# Allegro board FMDEMOD-Long.brd (continued)
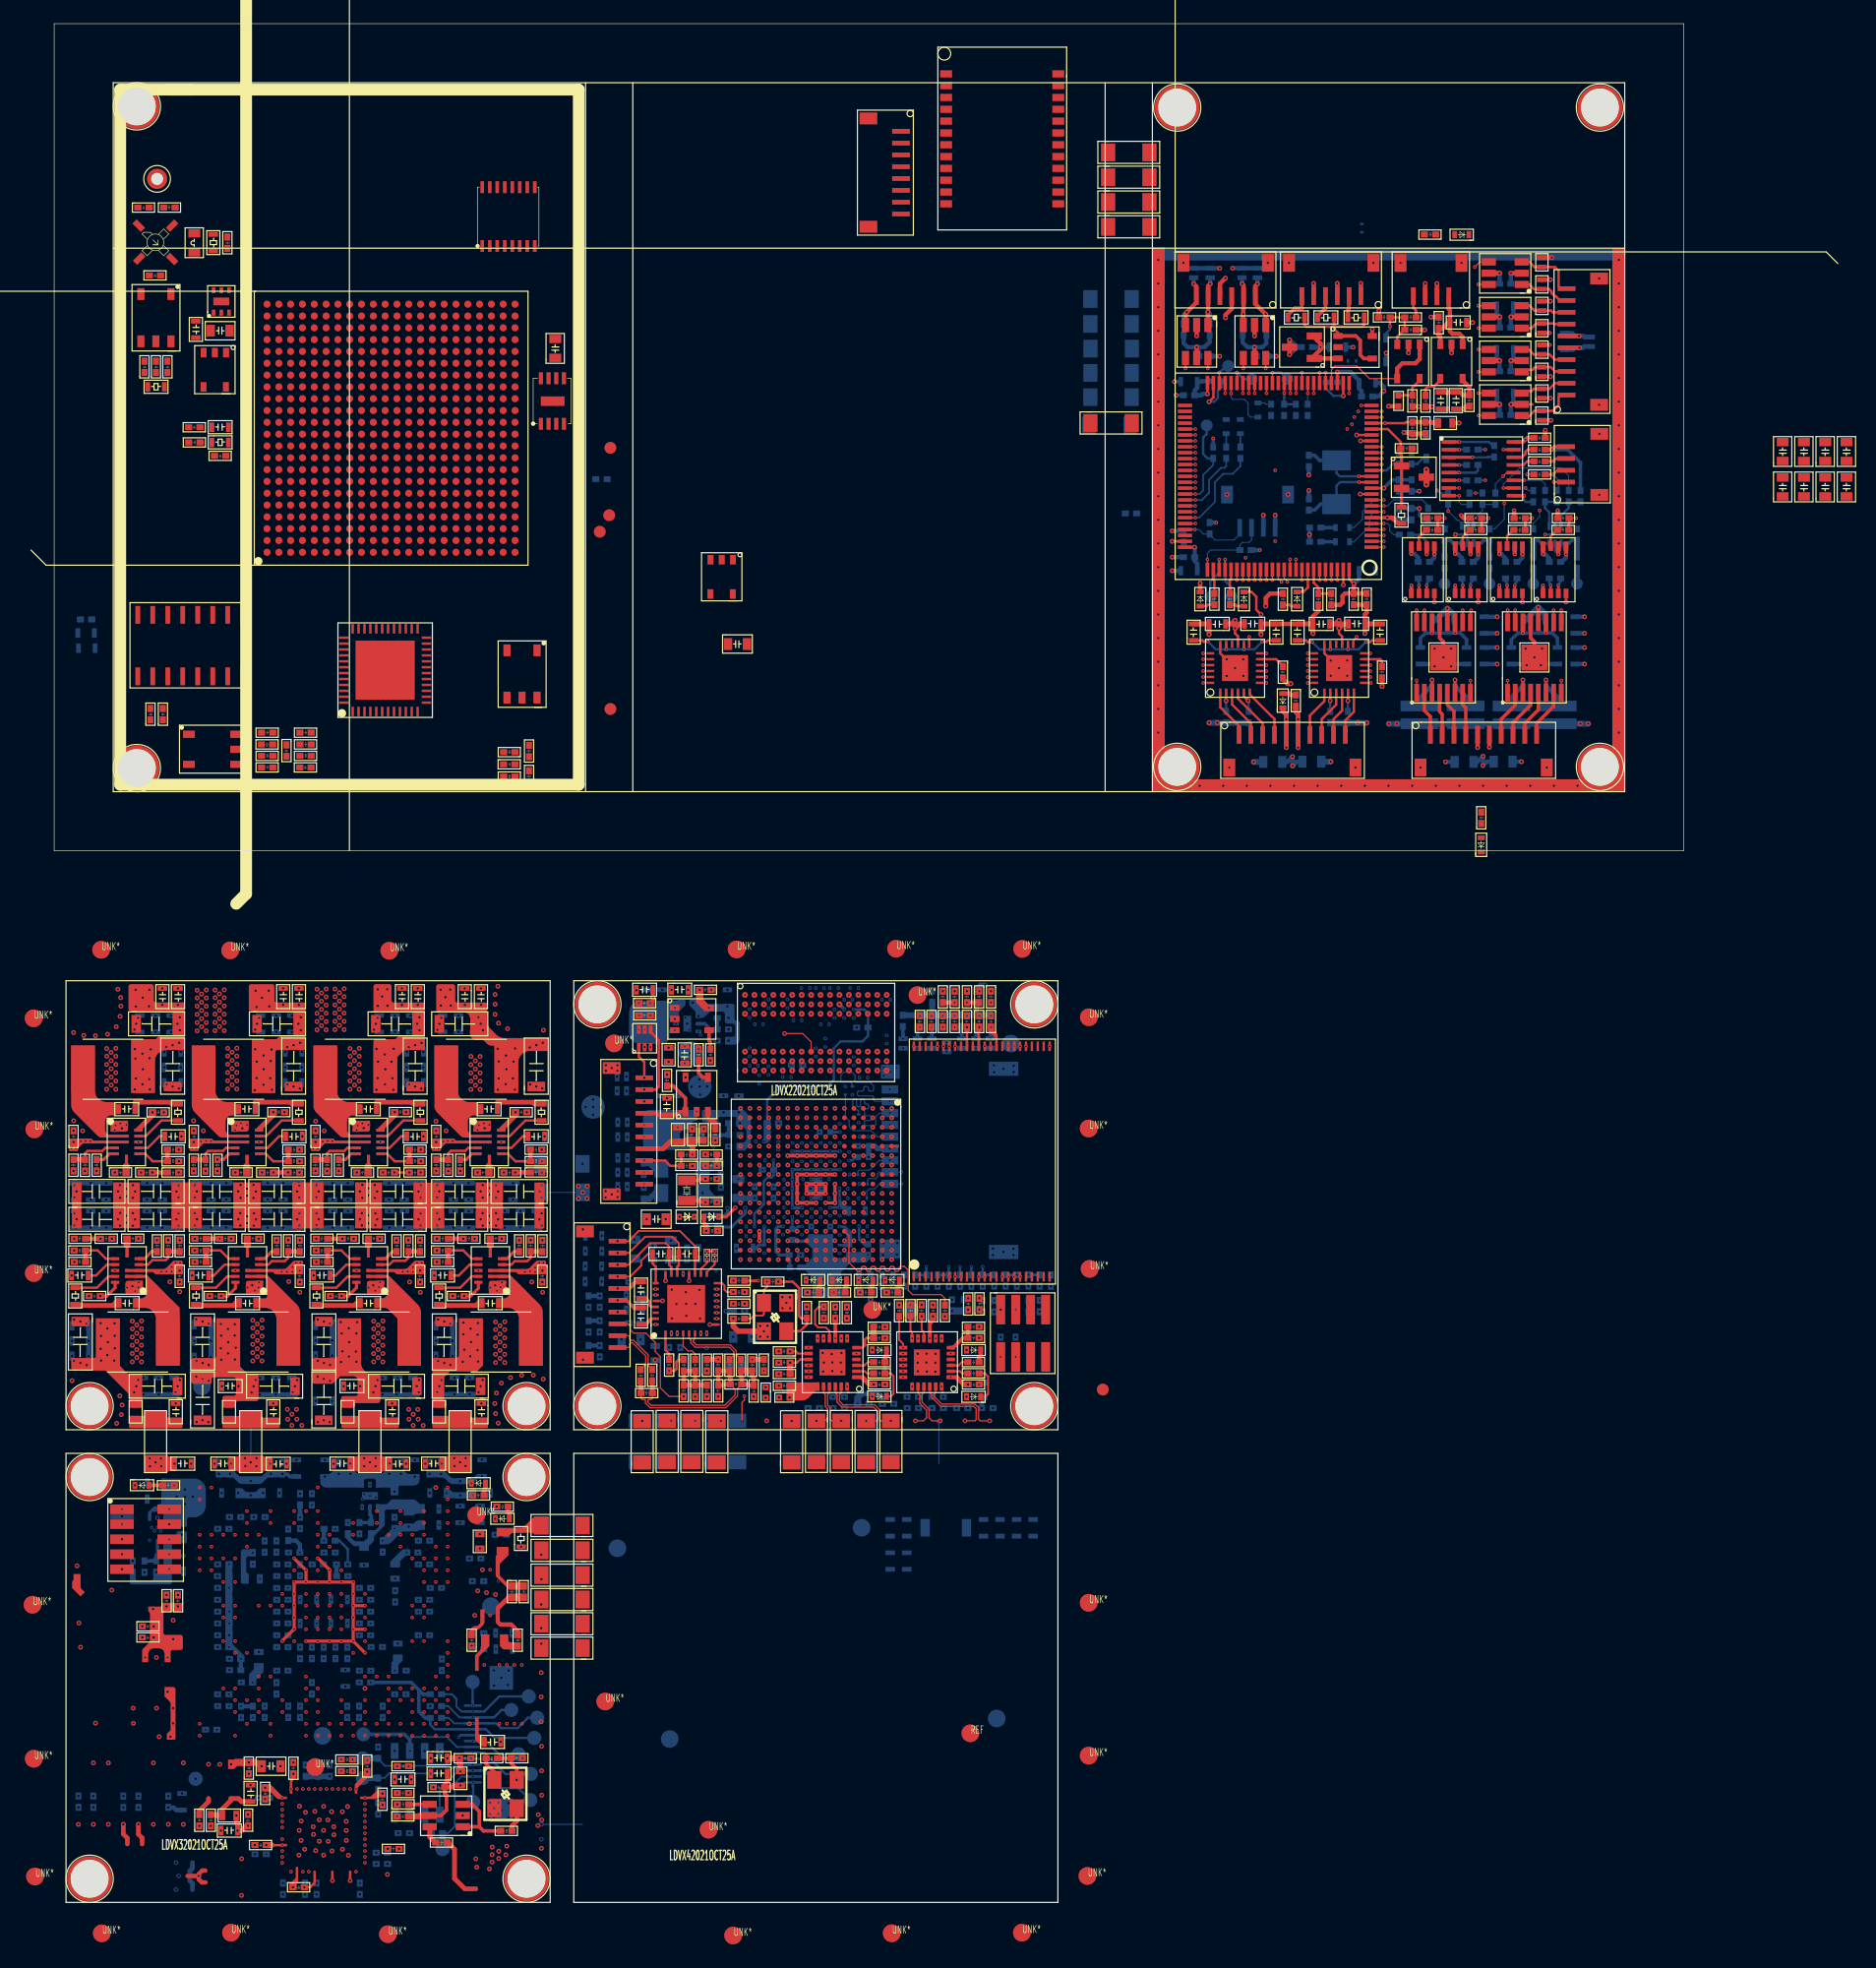
[diagram p0: board, top side]
## Footprints (pads in the part's own frame, mm; a bottom-side part is the same pattern mirrored in y, then rotated) (continued)
FC-12M
  rect 0.8x1.5 smd: 1(0.21,0.6) 2(1.91,0.6)
FPC-14P-0D5
  rect 0.2x1.5 smd: 1(-3.251,3.479) 2(-2.751,3.479) 3(-2.251,3.479) 4(-1.751,3.479) 5(-1.251,3.479) 6(-0.751,3.479) 7(-0.251,3.479) 8(0.249,3.479) 9(0.749,3.479) 10(1.249,3.479) 11(1.749,3.479) 12(2.249,3.479) 13(2.749,3.479) 14(3.249,3.479)
  rect 2x2 smd: M1(-5.6,1.06) M2(5.6,1.066)
HEADER-2X5P-1D27-SMD
  rect 0.8x2 smd: 1(0,-4) 2(1.27,-4) 3(2.54,-4) 4(3.81,-4) 5(5.08,-4) 6(5.08,0) 7(3.81,0) 8(2.54,0) 9(1.27,0) 10(0,0)
HTSSOP-16
  rect 1.5x0.4 smd: 1(-2.98,2.27) 2(-2.98,1.62) 3(-2.98,0.97) 4(-2.98,0.32) 5(-2.98,-0.33) 6(-2.98,-0.98) 7(-2.98,-1.63) 8(-2.98,-2.28) 9(2.97,-2.28) 10(2.97,-1.63) 11(2.97,-0.98) 12(2.97,-0.33) 13(2.97,0.32) 14(2.97,0.97) 15(2.97,1.62) 16(2.97,2.27)
  rect 2.2x2.2 smd: 17(0,0)
L0805
  rect 0.7x1 smd: 1(0.2,0.62) 2(1.8,0.62)
LED0402
  rect 0.4x0.6 smd: 1(-0.1,0.25) 2(1.1,0.25)
LQFP-100
  rect 0.3x1.2 smd: 1(-6.003,-7.901) 2(-5.503,-7.901) 3(-5.003,-7.901) 4(-4.503,-7.901) 5(-4.003,-7.901) 6(-3.503,-7.901) 7(-3.003,-7.901) 8(-2.503,-7.901) 9(-2.003,-7.901) 10(-1.503,-7.901) 11(-1.003,-7.901) 12(-0.503,-7.901) 13(-0.003,-7.901) 14(0.497,-7.901) 15(0.997,-7.901) 16(1.497,-7.901) 17(1.997,-7.901) 18(2.497,-7.901) 19(2.997,-7.901) 20(3.497,-7.901) 21(3.997,-7.901) 22(4.497,-7.901) 23(4.997,-7.901) 24(5.497,-7.901) 25(5.997,-7.901) 51(5.998,7.901) 52(5.498,7.901) 53(4.998,7.901) 54(4.498,7.901) 55(3.998,7.901) 56(3.498,7.901) 57(2.998,7.901) 58(2.498,7.901) 59(1.998,7.901) 60(1.498,7.901) 61(0.998,7.901) 62(0.498,7.901) 63(-0.002,7.901) 64(-0.502,7.901) 65(-1.002,7.901) 66(-1.502,7.901) 67(-2.002,7.901) 68(-2.502,7.901) 69(-3.002,7.901) 70(-3.502,7.901) 71(-4.002,7.901) 72(-4.502,7.901) 73(-5.002,7.901) 74(-5.502,7.901) 75(-6.002,7.901)
  rect 1.2x0.3 smd: 26(7.9,-6.007) 27(7.9,-5.507) 28(7.9,-5.007) 29(7.9,-4.507) 30(7.9,-4.007) 31(7.9,-3.507) 32(7.9,-3.007) 33(7.9,-2.507) 34(7.9,-2.007) 35(7.9,-1.507) 36(7.9,-1.007) 37(7.9,-0.507) 38(7.9,-0.007) 39(7.9,0.493) 40(7.9,0.993) 41(7.9,1.493) 42(7.9,1.993) 43(7.9,2.493) 44(7.9,2.993) 45(7.9,3.493) 46(7.9,3.993) 47(7.9,4.493) 48(7.9,4.993) 49(7.9,5.493) 50(7.9,5.993) 76(-7.902,5.997) 77(-7.902,5.497) 78(-7.902,4.997) 79(-7.902,4.497) 80(-7.902,3.997) 81(-7.902,3.497) 82(-7.902,2.997) 83(-7.902,2.497) 84(-7.902,1.997) 85(-7.902,1.497) 86(-7.902,0.997) 87(-7.902,0.497) 88(-7.902,-0.003) 89(-7.902,-0.503) 90(-7.902,-1.003) 91(-7.902,-1.503) 92(-7.902,-2.003) 93(-7.902,-2.503) 94(-7.902,-3.003) 95(-7.902,-3.503) 96(-7.902,-4.003) 97(-7.902,-4.503) 98(-7.902,-5.003) 99(-7.902,-5.503) 100(-7.902,-6.003)
MAPBGA-289
  round 0.4 smd: A1(0,0) A2(0.8,0) A3(1.6,0) A4(2.4,0) A5(3.2,0) A6(4,0) A7(4.8,0) A8(5.6,0) A9(6.4,0) A10(7.2,0) A11(8,0) A12(8.8,0) A13(9.6,0) A14(10.4,0) A15(11.2,0) A16(12,0) A17(12.8,0) B1(0,-0.8) B2(0.8,-0.8) B3(1.6,-0.8) B4(2.4,-0.8) B5(3.2,-0.8) B6(4,-0.8) B7(4.8,-0.8) B8(5.6,-0.8) B9(6.4,-0.8) B10(7.2,-0.8) B11(8,-0.8) B12(8.8,-0.8) B13(9.6,-0.8) B14(10.4,-0.8) B15(11.2,-0.8) B16(12,-0.8) B17(12.8,-0.8) C1(0,-1.6) C2(0.8,-1.6) C3(1.6,-1.6) C4(2.4,-1.6) C5(3.2,-1.6) C6(4,-1.6) C7(4.8,-1.6) C8(5.6,-1.6) C9(6.4,-1.6) C10(7.2,-1.6) C11(8,-1.6) C12(8.8,-1.6) C13(9.6,-1.6) C14(10.4,-1.6) C15(11.2,-1.6) C16(12,-1.6) C17(12.8,-1.6) D1(0,-2.4) D2(0.8,-2.4) D3(1.6,-2.4) D4(2.4,-2.4) D5(3.2,-2.4) D6(4,-2.4) D7(4.8,-2.4) D8(5.6,-2.4) D9(6.4,-2.4) D10(7.2,-2.4) D11(8,-2.4) D12(8.8,-2.4) D13(9.6,-2.4) D14(10.4,-2.4) D15(11.2,-2.4) D16(12,-2.4) D17(12.8,-2.4) E1(0,-3.2) E2(0.8,-3.2) E3(1.6,-3.2) E4(2.4,-3.2) E5(3.2,-3.2) E6(4,-3.2) E7(4.8,-3.2) E8(5.6,-3.2) E9(6.4,-3.2) E10(7.2,-3.2) E11(8,-3.2) E12(8.8,-3.2) E13(9.6,-3.2) E14(10.4,-3.2) E15(11.2,-3.2) E16(12,-3.2) E17(12.8,-3.2) F1(0,-4) F2(0.8,-4) F3(1.6,-4) F4(2.4,-4) F5(3.2,-4) F6(4,-4) F7(4.8,-4) F8(5.6,-4) F9(6.4,-4) F10(7.2,-4) F11(8,-4) F12(8.8,-4) F13(9.6,-4) F14(10.4,-4) F15(11.2,-4) F16(12,-4) F17(12.8,-4) G1(0,-4.8) G2(0.8,-4.8) G3(1.6,-4.8) G4(2.4,-4.8) G5(3.2,-4.8) G6(4,-4.8) G7(4.8,-4.8) G8(5.6,-4.8) G9(6.4,-4.8) G10(7.2,-4.8) G11(8,-4.8) G12(8.8,-4.8) G13(9.6,-4.8) G14(10.4,-4.8) G15(11.2,-4.8) G16(12,-4.8) G17(12.8,-4.8) H1(0,-5.6) H2(0.8,-5.6) H3(1.6,-5.6) H4(2.4,-5.6) H5(3.2,-5.6) H6(4,-5.6) H7(4.8,-5.6) H8(5.6,-5.6) H9(6.4,-5.6) H10(7.2,-5.6) H11(8,-5.6) H12(8.8,-5.6) H13(9.6,-5.6) H14(10.4,-5.6) H15(11.2,-5.6) H16(12,-5.6) H17(12.8,-5.6) J1(0,-6.4) J2(0.8,-6.4) J3(1.6,-6.4) J4(2.4,-6.4) J5(3.2,-6.4) J6(4,-6.4) J7(4.8,-6.4) J8(5.6,-6.4) J9(6.4,-6.4) J10(7.2,-6.4) J11(8,-6.4) J12(8.8,-6.4) J13(9.6,-6.4) J14(10.4,-6.4) J15(11.2,-6.4) J16(12,-6.4) J17(12.8,-6.4) K1(0,-7.2) K2(0.8,-7.2) K3(1.6,-7.2) K4(2.4,-7.2) K5(3.2,-7.2) K6(4,-7.2) K7(4.8,-7.2) K8(5.6,-7.2) K9(6.4,-7.2) K10(7.2,-7.2) K11(8,-7.2) K12(8.8,-7.2) K13(9.6,-7.2) K14(10.4,-7.2) K15(11.2,-7.2) K16(12,-7.2) K17(12.8,-7.2) L1(0,-8) L2(0.8,-8) L3(1.6,-8) L4(2.4,-8) L5(3.2,-8) L6(4,-8) L7(4.8,-8) L8(5.6,-8) L9(6.4,-8) L10(7.2,-8) L11(8,-8) L12(8.8,-8) L13(9.6,-8) L14(10.4,-8) L15(11.2,-8) L16(12,-8) L17(12.8,-8) M1(0,-8.8) M2(0.8,-8.8) M3(1.6,-8.8) M4(2.4,-8.8) M5(3.2,-8.8) M6(4,-8.8) M7(4.8,-8.8) M8(5.6,-8.8) M9(6.4,-8.8) M10(7.2,-8.8) M11(8,-8.8) M12(8.8,-8.8) M13(9.6,-8.8) M14(10.4,-8.8) M15(11.2,-8.8) M16(12,-8.8) M17(12.8,-8.8) N1(0,-9.6) N2(0.8,-9.6) N3(1.6,-9.6) N4(2.4,-9.6) N5(3.2,-9.6) N6(4,-9.6) N7(4.8,-9.6) N8(5.6,-9.6) N9(6.4,-9.6) N10(7.2,-9.6) N11(8,-9.6) N12(8.8,-9.6) N13(9.6,-9.6) N14(10.4,-9.6) N15(11.2,-9.6) N16(12,-9.6) N17(12.8,-9.6) P1(0,-10.4) P2(0.8,-10.4) P3(1.6,-10.4) P4(2.4,-10.4) P5(3.2,-10.4) P6(4,-10.4) P7(4.8,-10.4) P8(5.6,-10.4) P9(6.4,-10.4) P10(7.2,-10.4) P11(8,-10.4) P12(8.8,-10.4) P13(9.6,-10.4) P14(10.4,-10.4) P15(11.2,-10.4) P16(12,-10.4) P17(12.8,-10.4) R1(0,-11.2) R2(0.8,-11.2) R3(1.6,-11.2) R4(2.4,-11.2) R5(3.2,-11.2) R6(4,-11.2) R7(4.8,-11.2) R8(5.6,-11.2) R9(6.4,-11.2) R10(7.2,-11.2) R11(8,-11.2) R12(8.8,-11.2) R13(9.6,-11.2) R14(10.4,-11.2) R15(11.2,-11.2) R16(12,-11.2) R17(12.8,-11.2) T1(0,-12) T2(0.8,-12) T3(1.6,-12) T4(2.4,-12) T5(3.2,-12) T6(4,-12) T7(4.8,-12) T8(5.6,-12) T9(6.4,-12) T10(7.2,-12) T11(8,-12) T12(8.8,-12) T13(9.6,-12) T14(10.4,-12) T15(11.2,-12) T16(12,-12) T17(12.8,-12) U1(0,-12.8) U2(0.8,-12.8) U3(1.6,-12.8) U4(2.4,-12.8) U5(3.2,-12.8) U6(4,-12.8) U7(4.8,-12.8) U8(5.6,-12.8) U9(6.4,-12.8) U10(7.2,-12.8) U11(8,-12.8) U12(8.8,-12.8) U13(9.6,-12.8) U14(10.4,-12.8) U15(11.2,-12.8) U16(12,-12.8) U17(12.8,-12.8)
MICROSD-SMD-9P
  rect 0.7x1.4 smd: 1(2,7.53) 2(1,7.53) 3(0,7.53) 4(-1,7.53) 5(-2,7.53) 6(-3,7.53) 7(-4,7.53) 8(-5,7.53) 9(-6,7.53)
  rect 1.2x1.6 smd: 10(-7.5,7.5)
  rect 1.2x2.5 smd: 11(-7.75,-2.1) 12(7.75,-2.1)
  rect 1.6x1.8 smd: 13(7.5,7.5)
MSOP-8
  rect 0.4x0.8 smd: 1(0.63,0.58) 2(1.28,0.58) 3(1.93,0.58) 4(2.58,0.58) 5(2.58,4.58) 6(1.93,4.58) 7(1.28,4.58) 8(0.63,4.58)
MSOP-8-PAD
  rect 0.35x1 smd: 1(-0.001,-3.615) 2(0.649,-3.615) 3(1.299,-3.615) 4(1.949,-3.615) 5(1.949,0.241) 6(1.299,0.241) 7(0.649,0.241) 8(-0.001,0.241)
  rect 2x0.8 smd: 9(0.995,-1.694)
QFN-14
  rect 0.7x0.25 smd: 1(-0.99,1) 2(-0.99,0.5) 3(-0.99,0) 4(-0.99,-0.5) 5(-0.99,-1) 7(1.01,-1) 8(1.01,-0.5) 9(1.01,0) 10(1.01,0.5) 11(1.01,1)
  rect 0.25x0.7 smd: 6(0,-1.45) 12(0,1.45)
  rect 0.35x0.25 smd: 13(0,0.5) 14(0,0)
QFN-24
  rect 0.7x0.3 smd: 1(-2.03,1.25) 2(-2.03,0.75) 3(-2.03,0.25) 4(-2.03,-0.25) 5(-2.03,-0.75) 6(-2.03,-1.25) 13(2.01,-1.25) 14(2.01,-0.75) 15(2.01,-0.25) 16(2.01,0.25) 17(2.01,0.75) 18(2.01,1.25)
  rect 0.3x0.7 smd: 7(-1.25,-2.03) 8(-0.75,-2.03) 9(-0.25,-2.03) 10(0.25,-2.03) 11(0.75,-2.03) 12(1.25,-2.03) 19(1.25,2.04) 20(0.75,2.04) 21(0.25,2.04) 22(-0.25,2.04) 23(-0.75,2.04) 24(-1.25,2.04)
  rect 2.2x2.2 smd: 25(0,0)
QFN-32
  rect 0.5x0.2 smd: 1(-2.5,1.75) 2(-2.5,1.25) 3(-2.5,0.75) 4(-2.5,0.25) 5(-2.5,-0.25) 6(-2.5,-0.75) 7(-2.5,-1.25) 8(-2.5,-1.75) 17(2.53,-1.75) 18(2.53,-1.25) 19(2.53,-0.75) 20(2.53,-0.25) 21(2.53,0.25) 22(2.53,0.75) 23(2.53,1.25) 24(2.53,1.75)
  rect 0.2x0.5 smd: 9(-1.75,-2.59) 10(-1.25,-2.59) 11(-0.75,-2.59) 12(-0.25,-2.59) 13(0.25,-2.59) 14(0.75,-2.59) 15(1.25,-2.59) 16(1.75,-2.59) 25(1.75,2.57) 26(1.25,2.57) 27(0.75,2.57) 28(0.25,2.57) 29(-0.25,2.57) 30(-0.75,2.57) 31(-1.25,2.57) 32(-1.75,2.57)
  rect 3.2x3.2 smd: 33(0,0)
QFN-48
  rect 0.8x0.2 smd: 1(-3.5,2.75) 2(-3.5,2.25) 3(-3.5,1.75) 4(-3.5,1.25) 5(-3.5,0.75) 6(-3.5,0.25) 7(-3.5,-0.25) 8(-3.5,-0.75) 9(-3.5,-1.25) 10(-3.5,-1.75) 11(-3.5,-2.25) 12(-3.5,-2.75) 25(3.5,-2.75) 26(3.5,-2.25) 27(3.5,-1.75) 28(3.5,-1.25) 29(3.5,-0.75) 30(3.5,-0.25) 31(3.5,0.25) 32(3.5,0.75) 33(3.5,1.25) 34(3.5,1.75) 35(3.5,2.25) 36(3.5,2.75)
  rect 0.2x0.8 smd: 13(-2.75,-3.5) 14(-2.25,-3.5) 15(-1.75,-3.5) 16(-1.25,-3.5) 17(-0.75,-3.5) 18(-0.25,-3.5) 19(0.25,-3.5) 20(0.75,-3.5) 21(1.25,-3.5) 22(1.75,-3.5) 23(2.25,-3.5) 24(2.75,-3.5) 37(2.75,3.5) 38(2.25,3.5) 39(1.75,3.5) 40(1.25,3.5) 41(0.75,3.5) 42(0.25,3.5) 43(-0.25,3.5) 44(-0.75,3.5) 45(-1.25,3.5) 46(-1.75,3.5) 47(-2.25,3.5) 48(-2.75,3.5)
  rect 5x5 smd: 49(0,0)
R0201
  rect 0.2x0.3 smd: 1(-0.05,0.15) 2(0.65,0.15)
R0402
  rect 0.6x0.5 smd: 1(0.01,0.25) 2(0.97,0.25)
R0603
  rect 0.4x0.8 smd: 1(0.1,0.4) 2(1.5,0.4)
R1206
  rect 1.2x1.5 smd: 1(-0.15,0.8) 2(3.35,0.8)
R3216
  rect 3.2x0.9 smd: 1(1.62,1.95) 2(1.62,0.45)
SCREW-M3
  round 3.8 hole 3.2 unplated: (0,0)
SH1D0-SMD-VER-4P
  rect 0.4x1.5 smd: 1(1.5,3.47) 2(2.5,3.47) 3(3.5,3.47) 4(4.5,3.47)
  rect 1x1.5 smd: M1(0.42,0.65) M2(5.59,0.65)
SH1D0-SMD-VER-6P
  rect 0.4x1.5 smd: 1(1.48,3.46) 2(2.48,3.46) 3(3.48,3.46) 4(4.48,3.46) 5(5.48,3.46) 6(6.48,3.46)
  rect 1x1.5 smd: M1(0.42,0.65) M2(7.57,0.65)
SH1D0-SMD-VER-8P
  rect 0.4x1.5 smd: 1(1.51,3.41) 2(2.51,3.41) 3(3.51,3.41) 4(4.51,3.41) 5(5.51,3.41) 6(6.51,3.41) 7(7.51,3.41) 8(8.51,3.41)
  rect 1x1.5 smd: M1(0.42,0.65) M2(9.59,0.65)
SH1D0-SMD-VER-10P
  rect 0.4x1.5 smd: 1(1.24,3.41) 2(2.24,3.41) 3(3.24,3.41) 4(4.24,3.41) 5(5.24,3.41) 6(6.24,3.41) 7(7.24,3.41) 8(8.24,3.41) 9(9.24,3.41) 10(10.24,3.41)
  rect 1x1.5 smd: M1(0.41,0.65) M2(11.1,0.65)
SM-22
  rect 0.6x1 smd: 1(0.64,-0.1) 2(3.18,-0.1) 3(3.18,3.9) 4(1.91,3.9) 5(0.64,3.9)
SMD-HEADER-2X4-1D27
  rect 0.75x2.5 smd: 1(0.651,1.166) 2(1.921,1.166) 3(3.191,1.166) 4(4.461,1.166) 5(4.461,5.166) 6(3.191,5.166) 7(1.921,5.166) 8(0.651,5.166)
SMD-M3295NL
  rect 0.6x1 smd: 1(2.05,0.23) 2(3.05,0.23) 3(4.05,0.23) 4(5.05,0.23) 5(6.05,0.23) 6(7.05,0.23) 7(8.05,0.23) 8(9.05,0.23) 9(10.05,0.23) 10(11.05,0.23) 11(12.05,0.23) 12(13.05,0.23) 13(13.05,9.73) 14(12.05,9.73) 15(11.05,9.73) 16(10.05,9.73) 17(9.05,9.73) 18(8.05,9.73) 19(7.05,9.73) 20(6.05,9.73) 21(5.05,9.73) 22(4.05,9.73) 23(3.05,9.73) 24(2.05,9.73)
SO-8
  rect 0.65x1.35 smd: 1(0,-5.4) 2(1.27,-5.4) 3(2.54,-5.4) 4(3.81,-5.4) 5(3.81,0) 6(2.54,0) 7(1.27,0) 8(0,0)
SO-16
  rect 0.4x1.5 smd: 1(-4.437,-2.605) 2(-3.167,-2.605) 3(-1.897,-2.605) 4(-0.627,-2.605) 5(0.643,-2.605) 6(1.913,-2.605) 7(3.183,-2.605) 8(4.453,-2.605) 9(4.453,2.595) 10(3.183,2.595) 11(1.913,2.595) 12(0.643,2.595) 13(-0.627,2.595) 14(-1.897,2.595) 15(-3.167,2.595) 16(-4.437,2.595)
SOD523
  rect 0.4x0.5 smd: 1(0,0.43) 2(1.25,0.43)
SOD-523F
  rect 0.5x0.8 smd: 1(0,0) 2(0,-2)
SOT-6
  rect 0.7x0.3 smd: 1(0,0) 2(0,-0.5) 3(0,-1) 4(1.48,-1) 5(1.48,-0.5) 6(1.48,0)
SOT-23-3
  rect 1.3x0.6 smd: 1(0.3,2.47) 2(0.3,0.57) 3(2.4,1.52)
SOT-23-5
  rect 0.5x0.8 smd: 1(-0.95,-1.45) 2(0,-1.45) 3(0.95,-1.45) 4(0.96,1.45) 5(-0.94,1.45)
SOT-23-6
  rect 1.2x0.6 smd: 1(0,0) 2(0,-0.95) 3(0,-1.9) 4(2.8,-1.9) 5(2.8,-0.95) 6(2.8,0)
SSOP-16
  rect 1x0.3 smd: 1(0.6,4.7) 2(0.6,4.065) 3(0.6,3.43) 4(0.6,2.795) 5(0.6,2.16) 6(0.6,1.525) 7(0.6,0.89) 8(0.6,0.255) 9(5.58,0.255) 10(5.58,0.89) 11(5.58,1.525) 12(5.58,2.16) 13(5.58,2.795) 14(5.58,3.43) 15(5.58,4.065) 16(5.58,4.7)
TP_SMD_CIR_1D0
  round 1 smd: 1(0,0)
TP_SMD_CIR_1D2
  round 1.2 smd: 1(0,0)
TP_SMD_CIR_2D0
  round 2 smd: 1(0,0)
TP_THR_CIR_1D7_1D0
  round 1.7 hole 1: 1(0,0)
TSOP-48
  rect 0.8x0.2 smd: 1(-9.75,5.8) 2(-9.75,5.3) 3(-9.75,4.8) 4(-9.75,4.3) 5(-9.75,3.8) 6(-9.75,3.3) 7(-9.75,2.8) 8(-9.75,2.3) 9(-9.75,1.8) 10(-9.75,1.3) 11(-9.75,0.8) 12(-9.75,0.3) 13(-9.75,-0.2) 14(-9.75,-0.7) 15(-9.75,-1.2) 16(-9.75,-1.7) 17(-9.75,-2.2) 18(-9.75,-2.7) 19(-9.75,-3.2) 20(-9.75,-3.7) 21(-9.75,-4.2) 22(-9.75,-4.7) 23(-9.75,-5.2) 24(-9.75,-5.7) 25(9.75,-5.7) 26(9.75,-5.2) 27(9.75,-4.7) 28(9.75,-4.2) 29(9.75,-3.7) 30(9.75,-3.2) 31(9.75,-2.7) 32(9.75,-2.2) 33(9.75,-1.7) 34(9.75,-1.2) 35(9.75,-0.7) 36(9.75,-0.2) 37(9.75,0.3) 38(9.75,0.8) 39(9.75,1.3) 40(9.75,1.8) 41(9.75,2.3) 42(9.75,2.8) 43(9.75,3.3) 44(9.75,3.8) 45(9.75,4.3) 46(9.75,4.8) 47(9.75,5.3) 48(9.75,5.8)
TSSOP-16
  rect 0.3x1.2 smd: 1(0,-5.5) 2(0.65,-5.5) 3(1.3,-5.5) 4(1.95,-5.5) 5(2.6,-5.5) 6(3.25,-5.5) 7(3.9,-5.5) 8(4.55,-5.5) 9(4.55,0) 10(3.9,0) 11(3.25,0) 12(2.6,0) 13(1.95,0) 14(1.3,0) 15(0.65,0) 16(0,0)
TSX-3225-4P
  rect 1.5x1.2 smd: 1(0.43,0.3) 2(2.83,0.3) 3(2.83,2.2) 4(0.43,2.2)
unnamed#2
  round 1.5 smd: (0,0)
VFBGA-96
  round 0.5 smd: A1(0,0) A2(0.8,0) A3(1.6,0) A7(4.8,0) A8(5.6,0) A9(6.4,0) B1(0,-0.8) B2(0.8,-0.8) B3(1.6,-0.8) B7(4.8,-0.8) B8(5.6,-0.8) B9(6.4,-0.8) C1(0,-1.6) C2(0.8,-1.6) C3(1.6,-1.6) C7(4.8,-1.6) C8(5.6,-1.6) C9(6.4,-1.6) D1(0,-2.4) D2(0.8,-2.4) D3(1.6,-2.4) D7(4.8,-2.4) D8(5.6,-2.4) D9(6.4,-2.4) E1(0,-3.2) E2(0.8,-3.2) E3(1.6,-3.2) E7(4.8,-3.2) E8(5.6,-3.2) E9(6.4,-3.2) F1(0,-4) F2(0.8,-4) F3(1.6,-4) F7(4.8,-4) F8(5.6,-4) F9(6.4,-4) G1(0,-4.8) G2(0.8,-4.8) G3(1.6,-4.8) G7(4.8,-4.8) G8(5.6,-4.8) G9(6.4,-4.8) H1(0,-5.6) H2(0.8,-5.6) H3(1.6,-5.6) H7(4.8,-5.6) H8(5.6,-5.6) H9(6.4,-5.6) J1(0,-6.4) J2(0.8,-6.4) J3(1.6,-6.4) J7(4.8,-6.4) J8(5.6,-6.4) J9(6.4,-6.4) K1(0,-7.2) K2(0.8,-7.2) K3(1.6,-7.2) K7(4.8,-7.2) K8(5.6,-7.2) K9(6.4,-7.2) L1(0,-8) L2(0.8,-8) L3(1.6,-8) L7(4.8,-8) L8(5.6,-8) L9(6.4,-8) M1(0,-8.8) M2(0.8,-8.8) M3(1.6,-8.8) M7(4.8,-8.8) M8(5.6,-8.8) M9(6.4,-8.8) N1(0,-9.6) N2(0.8,-9.6) N3(1.6,-9.6) N7(4.8,-9.6) N8(5.6,-9.6) N9(6.4,-9.6) P1(0,-10.4) P2(0.8,-10.4) P3(1.6,-10.4) P7(4.8,-10.4) P8(5.6,-10.4) P9(6.4,-10.4) R1(0,-11.2) R2(0.8,-11.2) R3(1.6,-11.2) R7(4.8,-11.2) R8(5.6,-11.2) R9(6.4,-11.2) T1(0,-12) T2(0.8,-12) T3(1.6,-12) T7(4.8,-12) T8(5.6,-12) T9(6.4,-12)
VQFN-24
  rect 0.6x0.2 smd: 1(-2.03,1.25) 2(-2.03,0.75) 3(-2.03,0.25) 4(-2.03,-0.25) 5(-2.03,-0.75) 6(-2.03,-1.25) 13(2.01,-1.2) 14(2.01,-0.75) 15(2.01,-0.25) 16(2.01,0.25) 17(2.01,0.75) 18(2.01,1.25)
  rect 0.2x0.6 smd: 7(-1.25,-2.07) 8(-0.75,-2.07) 9(-0.25,-2.07) 10(0.25,-2.07) 11(0.75,-2.07) 12(1.25,-2.07) 19(1.25,2.07) 20(0.75,2.07) 21(0.25,2.07) 22(-0.25,2.07) 23(-0.75,2.07) 24(-1.25,2.07)
  rect 2.2x2.2 smd: 25(0,0)
WSON-6
  rect 0.5x0.3 smd: 1(-0.952,0.648) 2(-0.952,-0.002) 3(-0.952,-0.652) 4(0.948,-0.652) 5(0.948,-0.002) 6(0.948,0.648)
  rect 0.65x1.35 smd: 7(0,0)

## Nets
1V2_FPGA: C135.2 C446.2 C447.2 C448.2 L35.2 R132.2
1V2_FPGA_PWR: C78.1 C106.2 C120.2 C415.2 C421.2 C428.2 C432.2 C433.2 C434.2 L10.2 L16.1 R78.2
2V5_FPGA: C467.2 C489.2 L37.1 R292.1 R304.2 R306.1 U36.1
2V5_FPGA_IN: C133.2 C134.2 C449.2 C450.2 C451.2 C452.2 C453.2 C454.2 R131.2 R292.2 U36.4 U36.6
2V5_FPGA_PWR: C77.1 C105.2 C118.2 C119.2 C125.2 C414.2 C420.2 C426.2 C438.2 C439.2 C440.2 C445.2 L9.2 L15.1 R77.2
3V3_AUDIO: C412.1 C419.1 L33.2 R268.2 U15.8 U15.10 U15.32
3V3_FPGA: C131.2 C132.2 C455.2 C456.2 C457.2 C458.2 C459.2 L36.1 R130.2
3V3_FPGA_PWR: C76.1 C104.2 C116.2 C117.2 C124.2 C413.2 C422.2 C429.2 C441.2 C442.2 C443.2 L8.2 L14.1 R76.2
3V3_IF: C165.2 C184.2 R161.2 R364.2 R365.2 R366.2 U23.5(\OUT\)
3V3_MCU: C136.1 C137.1 C138.1 C139.1 C153.1 C156.1 C158.1 C159.1 C161.1 C162.1 C168.1 C176.1 C189.1 C203.1 C460.2 C479.1 C515.2 C525.1 C532.1 C539.1 C546.1 C553.1 C573.1 C591.1 C600.2 C603.2 C606.2 C609.2 C610.2 C644.1 C645.1 C646.1 C647.1 D18.2(\K\) D24.2 J14.5 J15.3 J20.4 L17.1 L20.2 R135.2 R153.2 R157.2 R181.1 R183.2 R186.1 R187.2 R189.2 R291.1 R309.2 R320.1 R323.1 R328.2 R344.1 R374.2 R377.2 R378.2 U19.6 U19.11 U19.28 U19.50 U19.75 U19.100 U21.5(\OUT\) U25.5(\VCC\) U31.5(\VCC\) U37.5 U41.5(\VCC\) U42.5(\VCC\) U47.16(\VCC\) U50.5(\VCC\) U51.5(\VCC\) U52.5(\VCC\) U53.5(\VCC\)
3V3_MCU_A: C141.2 C142.2 L17.2 U19.22
5V_AUDIO: C401.2 C403.2 C404.1 C408.1 L31.2 U15.21 U15.26
5V_FPGA: C145.2 C146.2 C147.2 C148.2 C150.2 C200.2 C201.2 C468.2 C480.2 C488.2 C503.2 L18.1 R148.2 R308.1 R315.2 R317.1 U23.1 U23.3 U29.1 U29.3 U38.1
5V_FPGA_IN: C130.1 C461.2 C466.2 R129.2 R308.2 TP11.1(\TP\) U38.4 U38.6
5V_FPGA_PWR: C75.1 C103.2 C115.2 C416.2 C423.2 C427.2 C435.2 C436.2 C437.2 L7.2 L13.1 R75.2
5V_MCU: C155.1 C160.1 C492.2 C493.2 C494.2 C495.2 C566.1 C568.1 C570.1 C572.1 J16.1 R321.2 U21.1 U21.3 U43.8 U44.8 U45.8 U46.8
12V_VBAT: C535.1 C536.1 C537.1 C538.1 J16.4 R156.1
GND: A1.2 A1.4 C1.1 C2.1 C3.1 C4.1 C5.1 C6.1 C7.1 C8.1 C9.1 C10.1 C11.1 C12.1 C13.2 C14.1 C15.1 C16.1 C17.1 C18.1 C19.1 C20.1 C21.2 C22.1 C23.1 C24.1 C25.1 C26.1 C27.2 C32.1 C33.1 C34.1 C35.1 C36.1 C37.1 C42.2 C43.2 C44.2 C45.2 C46.2 C47.1 C48.1 C49.1 C50.1 C51.1 C52.1 C53.1 C54.1 C55.1 C56.1 C57.1 C58.1 C59.1 C60.1 C61.1 C62.1 C63.1 C64.1 C65.1 C66.1 C67.1 C68.1 C69.1 C70.1 C71.1 C72.1 C79.2 C80.2 C81.2 C82.2 C84.1 C85.1 C86.1 C87.1 C92.1 C93.1 C94.2 C95.1 C96.2 C98.1 C99.2 C100.2 C101.2 C102.2 C103.1 C104.1 C105.1 C106.1 C110.2 C112.2 C113.2 C114.2 C115.1 C116.1 C117.1 C118.1 C119.1 C120.1 C124.1 C125.1 C126.1 C127.1 C128.1 C129.1 C130.2 C131.1 C132.1 C133.1 C134.1 C135.1 C136.2 C137.2 C138.2 C139.2 C141.1 C142.1 C145.1 C146.1 C147.1 C148.1 C150.1 C151.1 C153.2 C154.1 C155.2 C156.2 C157.1 C158.2 C159.2 C160.2 C161.2 C162.2 C163.2 C164.1 C165.1 C166.1 C167.1 C168.2 C169.1 C170.1 C172.1 C174.2 C175.2 C176.2 C177.2 C178.2 C179.2 C180.2 C181.2 C184.1 C185.2 C186.1 C187.2 C188.2 C189.2 C190.2 C191.1 C192.1 C193.1 C194.2 C196.2 C198.1 C199.1 C200.1 C201.1 C202.1 C203.2 C204.1 C205.1 C206.1 C207.1 C208.1 C209.1 C210.1 C211.1 C212.1 C213.1 C214.1 C217.1 C218.1 C220.1 C221.1 C242.2 C244.2 C245.2 C246.2 C247.2 C248.2 C249.1 C250.1 C251.1 C252.1 C253.2 C254.2 C255.2 C256.2 C257.2 C258.2 C259.2 C260.1 C261.1 C262.1 C263.1 C264.1 C265.1 C266.1 C267.1 C268.1 C269.1 C270.1 C271.1 C273.2 C274.2 C275.1 C276.1 C277.1 C278.2 C279.2 C280.2 C282.2 C283.1 C284.1 C285.1 C286.2 C287.2 C288.2 C289.2 C290.1 C291.1 C292.1 C294.2 C295.1 C296.1 C297.1 C298.1 C299.2 C300.2 C301.2 C302.2 C303.2 C304.2 C305.2 C306.2 C307.2 C308.2 C309.1 C310.2 C311.2 C312.2 C313.2 C314.2 C315.2 C316.2 C317.2 C318.2 C319.2 C320.2 C321.2 C322.1 C323.2 C324.2 C325.1 C326.1 C327.1 C328.1 C329.1 C330.1 C331.1 C332.1 C333.1 C334.1 C335.2 C336.2 C337.2 C338.1 C339.1 C340.1 C341.1 C342.1 C343.1 C344.1 C345.1 C346.1 C347.1 C348.1 C349.2 C350.2 C351.2 C352.2 C353.2 C354.2 C355.2 C356.2 C357.2 C358.2 C359.2 C360.2 C361.1 C362.2 C363.2 C364.1 C365.1 C366.1 C367.1 C368.1 C369.1 C370.1 C371.1 C372.1 C373.1 C374.1 C375.1 C376.1 C377.1 C378.1 C379.1 C380.1 C381.1 C382.1 C383.1 C384.1 C385.1 C386.1 C387.1 C388.2 C389.2 C390.1 C391.2 C392.2 C393.2 C395.2 C396.2 C397.2 C398.1 C399.2 C400.2 C405.2 C413.1 C414.1 C415.1 C416.1 C418.2 C420.1 C421.1 C422.1 C423.1 C426.1 C427.1 C428.1 C429.1 C430.2 C432.1 C433.1 C434.1 C435.1 C436.1 C437.1 C438.1 C439.1 C440.1 C441.1 C442.1 C443.1 C444.2 C445.1 C446.1 C447.1 C448.1 C449.1 C450.1 C451.1 C452.1 C453.1 C454.1 C455.1 C456.1 C457.1 C458.1 C459.1 C460.1 C461.1 C462.1 C463.1 C464.1 C465.1 C466.1 C467.1 C468.1 C469.1 C470.1 C471.2 C472.1 C473.1 C474.1 C475.2 C476.1 C477.1 C478.1 C479.2 C480.1 C481.1 C482.2 C483.2 C484.2 C485.1 C486.1 C487.1 C488.1 C489.1 C490.1 C491.1 C492.1 C493.1 C494.1 C495.1 C496.1 C497.1 C498.2 C499.1 C500.1 C501.1 C502.1 C503.1 C504.1 C505.1 C506.1 C507.1 C508.1 C509.1 C510.1 C511.1 C512.1 C513.1 C514.1 C515.1 C516.1 C517.1 C518.1 C519.1 C520.1 C521.1 C522.1 C523.1 C524.1 C525.2 C526.1 C527.1 C529.1 C530.1 C531.1 C532.2 C533.1 C534.1 C535.2 C536.2 C537.2 C538.2 C539.2 C540.2 C541.1 C542.1 C543.1 C544.1 C545.1 C546.2 C548.1 C549.1 C550.1 C551.1 C552.2 C553.2 C554.1 C555.1 C556.1 C557.1 C558.1 C559.1 C561.1 C562.1 C563.1 C564.2 C565.2 C566.2 C567.2 C568.2 C569.2 C570.2 C571.2 C572.2 C573.2 C574.2 C575.1 C577.1 C578.1 C579.1 C580.1 C581.1 C582.2 C583.2 C584.2 C585.2 C586.2 C587.2 C588.2 C589.1 C590.2 C591.2 C592.2 C593.2 C594.2 C595.2 C597.1 C598.1 C599.1 C600.1 C602.1 C603.1 C604.2 C606.1 C607.2 C608.1 C609.1 C610.1 C611.2 C612.1 C613.1 C614.1 C615.2 C616.1 C617.2 C637.1 C638.1 C639.1 C640.1 C641.2 C642.2 C643.2 C644.2 C645.2 C646.2 C647.2 C648.2 C649.2 D11.1(\CATHODE\) D12.1(\CATHODE\) D13.1(\CATHODE\) D14.1(\CATHODE\) D15.1(\CATHODE\) D16.1(\CATHODE\) D17.1(\CATHODE\) D22.1 D24.1 D25.1 D26.2 D27.2 D28.2 D29.2 D30.2 D31.2 D32.2 D33.2 D34.2 D35.1 D36.1 D37.2 D38.2 D39.2 D40.1 D41.1(\CATHODE\) D42.1(\CATHODE\) D44.1 D45.1 D47.1 D48.1 D49.1 D50.1 D52.1 D53.1 D54.1 D55.1 D56.1(\CATHODE\) J1.3 J1.M1 J1.M2(\M2\) J4.1 J5.6(\VSS\) J5.10 J5.11 J5.12 J5.13 J6.M1 J6.M2(\M2\) J7.1 J7.3 J7.5 J7.M1 J7.M2(\M2\) J9.6 J9.M1 J9.M2(\M2\) J14.6 J14.M1 J14.M2(\M2\) J15.4 J15.M1 J15.M2(\M2\) J16.2 J16.3 J16.M1 J16.M2(\M2\) J18.5 J18.M1 J18.M2(\M2\) J19.6 J19.M1 J19.M2(\M2\) J20.3 J20.M1 J20.M2(\M2\) J21.M1 J21.M2(\M2\) R1.1 R4.1 R5.1 R6.1 R7.1 R8.1 R9.1 R16.2 R23.1 R24.1 R25.1 R26.1 R28.1 R31.1 R34.1 R37.1 R39.1 R40.1 R42.1 R44.1 R46.1 R50.1 R52.1 R54.1 R56.1 R58.1 R61.1 R64.1 R67.1 R69.1 R70.1 R71.1 R72.1 R79.2 R81.2 R93.1 R134.2 R139.1 R142.1 R154.2 R170.1 R171.1 R172.1 R173.1 R176.2 R178.2 R180.2 R182.2 R184.2 R199.1 R200.1 R201.2 R203.2 R212.1 R213.1 R216.1 R222.1 R223.1 R228.2 R231.1 R231.2 R234.2 R236.1 R237.1 R239.1 R242.1 R243.1 R244.1 R246.1 R247.1 R249.1 R250.1 R251.1 R252.1 R253.1 R256.1 R259.1 R261.1 R262.1 R263.1 R266.2 R267.2 R271.1 R272.1 R287.1 R287.2 R288.1 R288.2 R289.1 R289.2 R290.1 R290.2 R294.1 R305.1 R307.1 R313.1 R316.1 R319.1 R343.1 R353.1 R357.2 R363.2 R367.1 R370.2 R373.2 T2.2 T3.2 TP6.1(\TP\) TP7.1(\TP\) TP12.1(\TP\) U1.2 U2.A9 U2.B1 U2.B3 U2.B9 U2.D1 U2.D8 U2.E1 U2.E2 U2.E8 U2.F9 U2.G1 U2.G8 U2.G9 U2.J2 U2.J8 U2.M1 U2.M9 U2.P1 U2.P9 U2.T1 U2.T9 U3.2 U4.2 U5.1 U5.12 U6.1 U6.12 U7.1 U7.12 U8.1 U8.12 U9.13 U9.25 U9.36 U9.48 U10.A1 U10.A17 U10.C3 U10.C7 U10.C11 U10.C15 U10.E8 U10.E11 U10.F6 U10.F7 U10.F8 U10.F9 U10.F10 U10.F11 U10.F12 U10.G3 U10.G5 U10.G7 U10.G12 U10.G15 U10.H7 U10.H12 U10.J5 U10.J7 U10.J12 U10.K7 U10.K12 U10.L3 U10.L7 U10.L12 U10.M7 U10.M8 U10.M9 U10.M10 U10.M11 U10.M12 U10.N3 U10.N5 U10.N7 U10.R3 U10.R5 U10.R7 U10.R11 U10.R16 U10.R17 U10.T14 U10.U1 U10.U14 U10.U17 U11.1 U11.12 U12.1 U12.12 U13.1 U13.12 U14.1 U14.12 U16.25 U17.25 U18.1 U18.7 U18.9 U19.10(\VSS_5\) U19.19 U19.20 U19.27 U19.49 U19.74 U19.99 U20.A1 U20.A22 U20.AA2 U20.AA22 U20.AB1 U20.AB6 U20.AB22 U20.C5 U20.C9 U20.C11 U20.C12 U20.C14 U20.C16 U20.C18 U20.D3 U20.D8 U20.E18 U20.E20 U20.F3 U20.F5 U20.F12 U20.G2 U20.G20 U20.H3 U20.H12 U20.H13 U20.J9 U20.J15 U20.J19 U20.K3 U20.K10 U20.K11 U20.K12 U20.K13 U20.K16 U20.L10 U20.L11 U20.L12 U20.L13 U20.L15 U20.L20 U20.M10 U20.M11 U20.M12 U20.M13 U20.N3 U20.N10 U20.N11 U20.N12 U20.N13 U20.N15 U20.P8 U20.P19 U20.R3 U20.R9 U20.R11 U20.R13 U20.T20 U20.U3 U20.U5 U20.V18 U20.V20 U20.W3 U20.Y5 U20.Y9 U20.Y11 U20.Y12 U20.Y15 U20.Y16 U20.Y18 U20.Y20 U21.2 U22.2(\VSS\) U23.2 U24.4 U24.9 U25.2 U26.13 U26.17 U27.13 U27.17 U28.18 U28.25 U29.2 U30.1 U30.3 U30.6 U30.7 U30.11 U30.14 U31.2 U32.2 U33.5 U33.8 U33.11 U33.15 U33.16 U33.23 U33.31 U33.38 U33.44 U33.48 U33.49 U34.3 U34.7 U35.3 U35.7 U36.3 U36.7 U37.2(\VSS\) U38.3 U38.7 U39.3 U40.3 U41.2 U42.2 U43.1 U43.5 U43.6 U44.1 U44.5 U44.6 U45.1 U45.5 U45.6 U46.1 U46.5 U46.6 U47.15 U48.18 U48.25 U49.4 U50.2 U51.2 U52.2 U53.2 UNK3VBATTERY1.2 Y2.2 Y2.4 Y4.2
GNDA: C121.2 C122.2 C123.1 C394.2 C401.1 C402.2 C403.1 C404.2 C406.1 C407.1 C408.2 C409.2 C410.2 C411.2 C412.2 C417.2 C419.2 C424.2 C425.2 J2.7 J2.M1 J2.M2(\M2\) R103.1 R112.1 R254.2 R263.2 R264.2 R269.2 U15.9 U15.20 U15.24 U15.28 U15.33
VBAT_ADC: U19.29 U22.1 U22.4
VBAT_IN: C42.1 C43.1 C44.1 C45.1 C52.2 C53.2 C54.2 C55.2 C56.2 C57.2 C58.2 C59.2 C61.2 C62.2 C63.2 C64.2 C65.2 C66.2 C67.2 C68.2 C79.1 C80.1 C81.1 C82.1 C325.2 C326.2 C327.2 C328.2 C329.2 C330.2 C331.2 C332.2 C333.2 C334.2 C335.1 C336.1 C337.1 C338.2 C339.2 C340.2 C341.2 C342.2 C343.2 C344.2 C345.2 C346.2 C347.2 C364.2 C365.2 C366.2 C367.2 C368.2 C369.2 C370.2 C371.2 C372.2 C373.2 C374.2 C375.2 C376.2 C377.2 C378.2 C379.2 C380.2 C381.2 C382.2 C383.2 C384.2 C385.2 C386.2 C387.2 R27.2 R30.2 R33.2 R36.2 R41.2 R43.2 R45.2 R47.2 R49.2 R51.2 R53.2 R55.2 R59.2 R62.2 R65.2 R68.2 U5.3(\VIN#3\) U5.14 U6.3(\VIN#3\) U6.14 U7.3(\VIN#3\) U7.14 U8.3(\VIN#3\) U8.14 U11.3(\VIN#3\) U11.14 U12.3(\VIN#3\) U12.14 U13.3(\VIN#3\) U13.14 U14.3(\VIN#3\) U14.14
VCCA_2V5: C473.2 C474.2 C482.1 C483.1 C484.1 C564.1 C565.1 C575.2 C578.2 C579.2 J9.5 L37.2 R352.1 R356.1 TP18.1(\TP\) U20.F18 U20.G6 U20.T6 U20.U18
VCCINT_1V2: C462.2 C463.2 C469.2 C486.2 C499.2 C501.2 C502.2 C506.2 C509.2 C511.2 C514.2 C516.2 C517.2 C518.2 C520.2 C522.2 C526.2 C529.2 C530.2 C531.2 C534.2 C542.2 C543.2 C548.2 C550.2 C554.2 C555.2 C556.2 C557.2 C558.2 L35.1 L38.2 L39.2 L40.2 L41.2 U20.G12 U20.H9 U20.J10 U20.J11 U20.J12 U20.J13 U20.J14 U20.J16 U20.K9 U20.K14 U20.K15 U20.L9 U20.L14 U20.L16 U20.M9 U20.M14 U20.M15 U20.N9 U20.N14 U20.P9 U20.P10 U20.P11 U20.P12 U20.P13 U20.P14 U20.R8 U20.R10 U20.R12
VCCIO_3V3: C191.2 C192.2 C198.2 C199.2 C202.2 C205.2 C208.2 C209.2 C217.2 C464.2 C465.2 C470.2 C471.1 C478.2 C481.2 C498.1 C500.2 C505.2 C510.2 C512.2 C519.2 C521.2 C523.2 C524.2 C533.2 C544.2 C545.2 C549.2 C559.2 C561.2 C562.2 C580.2 C581.2 C582.1 C583.1 C584.1 C585.1 C586.1 C587.1 C588.1 C593.1 C597.2 C598.2 C599.2 C602.2 C608.2 C612.2 C614.2 J4.10 J9.14 L21.1 L36.2 R293.2 R295.2 R310.2 R311.2 R314.2 R351.1 R355.1 R362.2 R375.2 TP25.1(\TP\) U20.A2 U20.A21 U20.AA6 U20.AB2 U20.AB21 U20.D4 U20.D5 U20.D9 U20.D11 U20.D12 U20.D14 U20.D16 U20.D18 U20.E8(\VCCIO8#E8\) U20.E19 U20.F4 U20.G19 U20.H4 U20.J20 U20.K4 U20.L19 U20.N4 U20.P18 U20.R4 U20.T19 U20.U4 U20.V19 U20.W4 U20.W5 U20.W9 U20.W11 U20.W12 U20.W16 U20.W18 U20.Y14 U20.Y19 U33.24 U33.25 U33.36 U33.37 U33.45 U49.3 U49.7 U49.8(\VCC#8\)